# Altium PCB pcb-acopians-powerspy-monitoring-hw.PcbDoc (part 1 of 3)
Units mm, origin at the board's own origin, x right, y up, seen from the top; angles counter-clockwise.
Board outline 180 x 100 mm, 2 copper layers (Top Layer, Bottom Layer), stack 1.58 mm thick; 248 components, 138 nets, 1134 pads, 0 vias.
Unrouted connection lines stored in the file: 135.
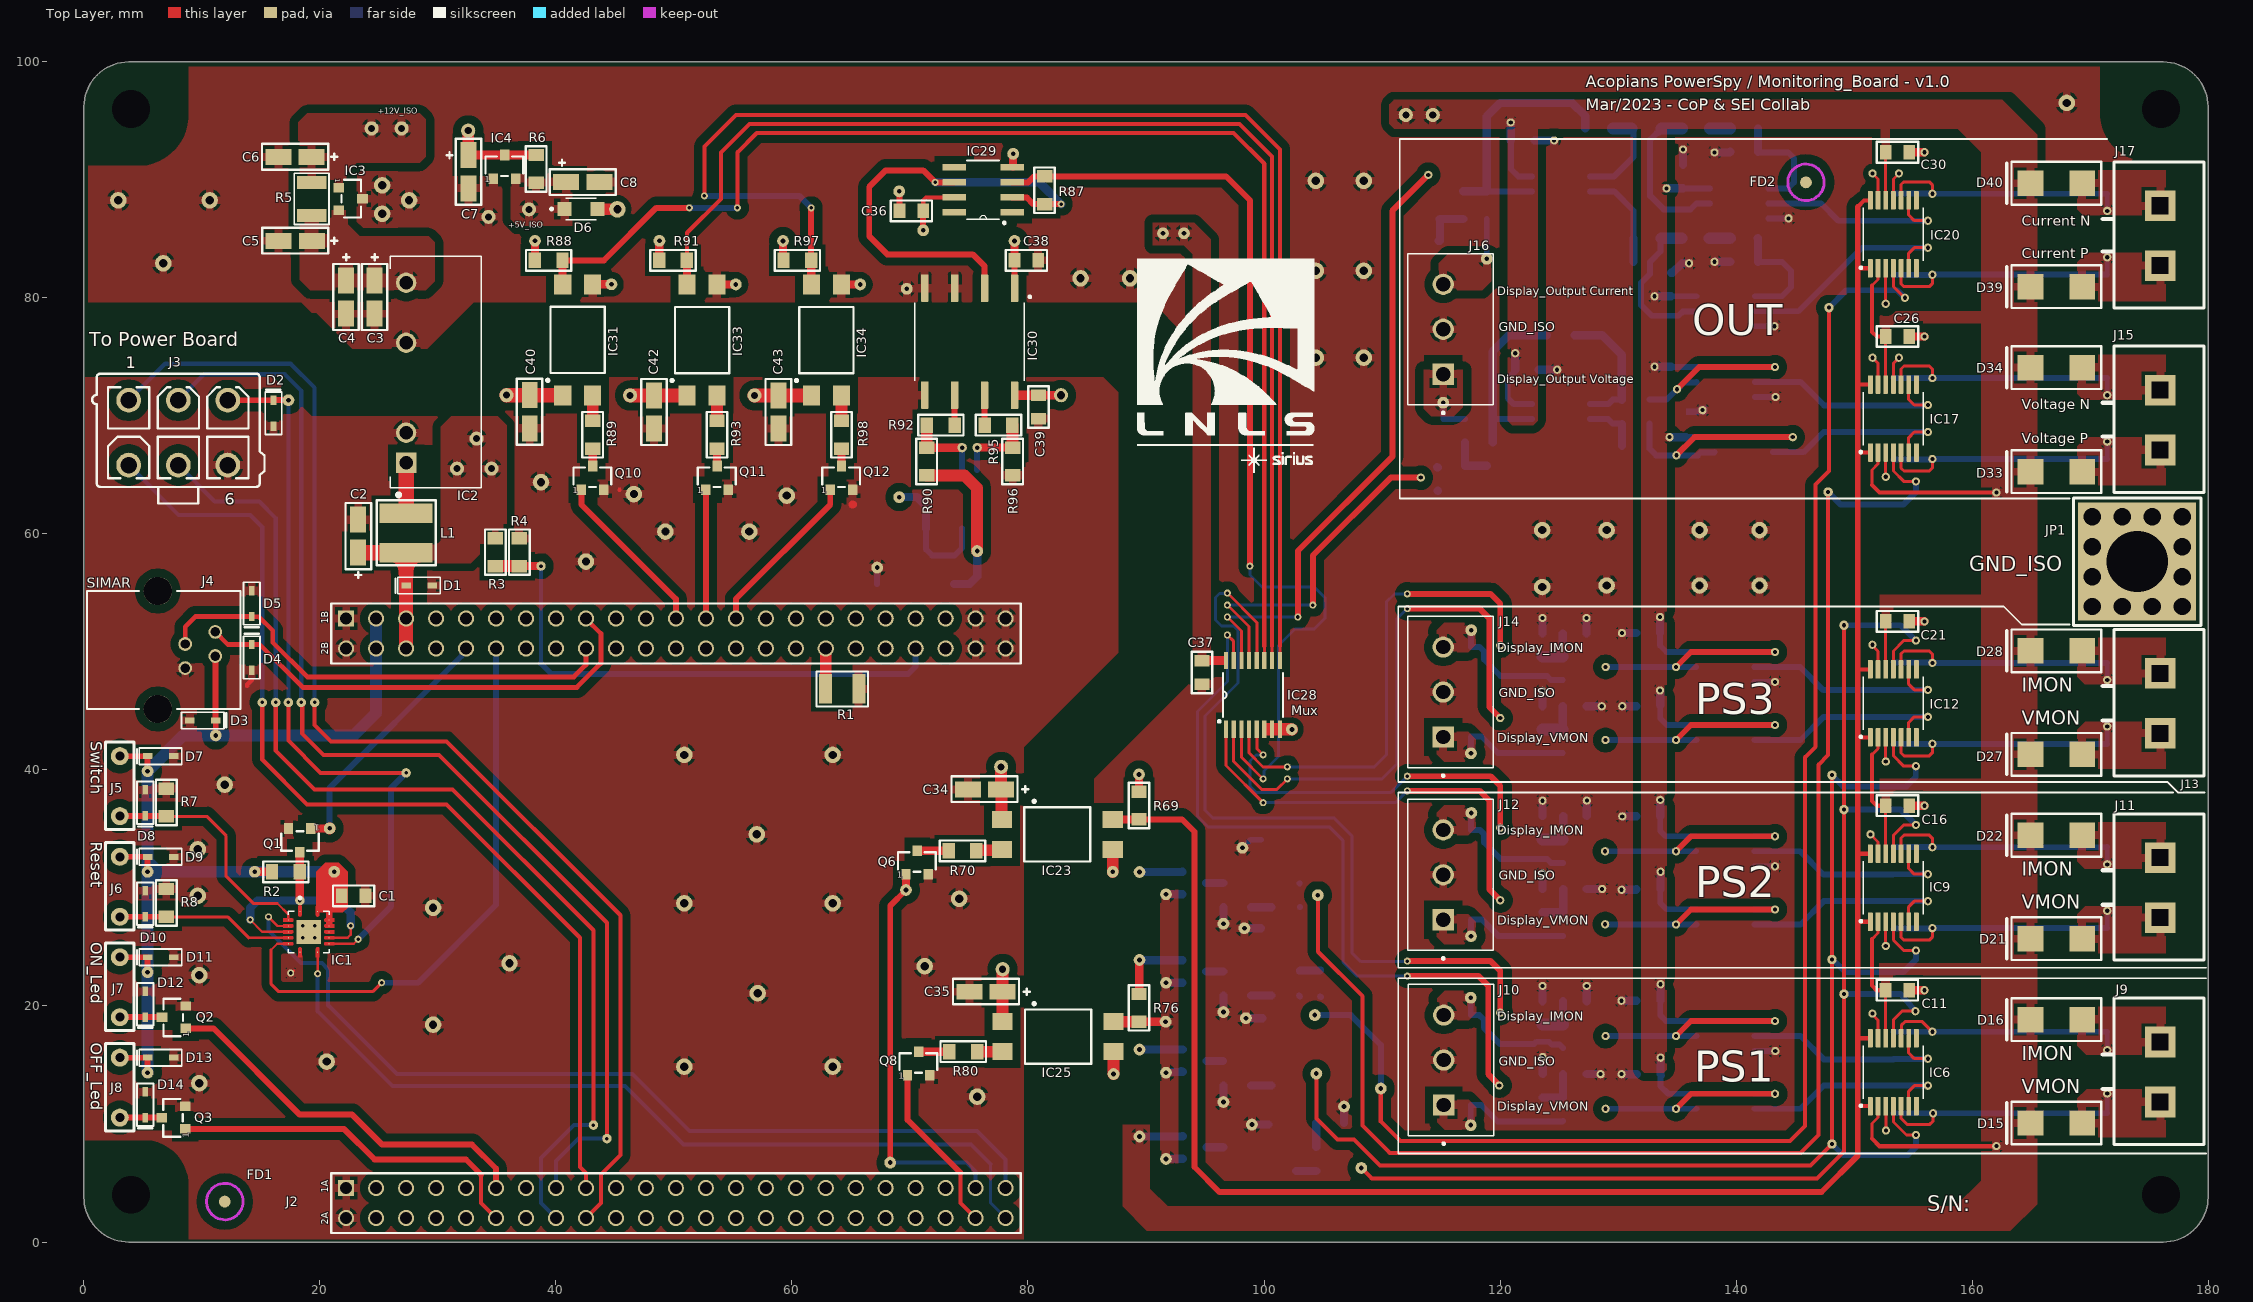
[diagram p0: Top Layer view]
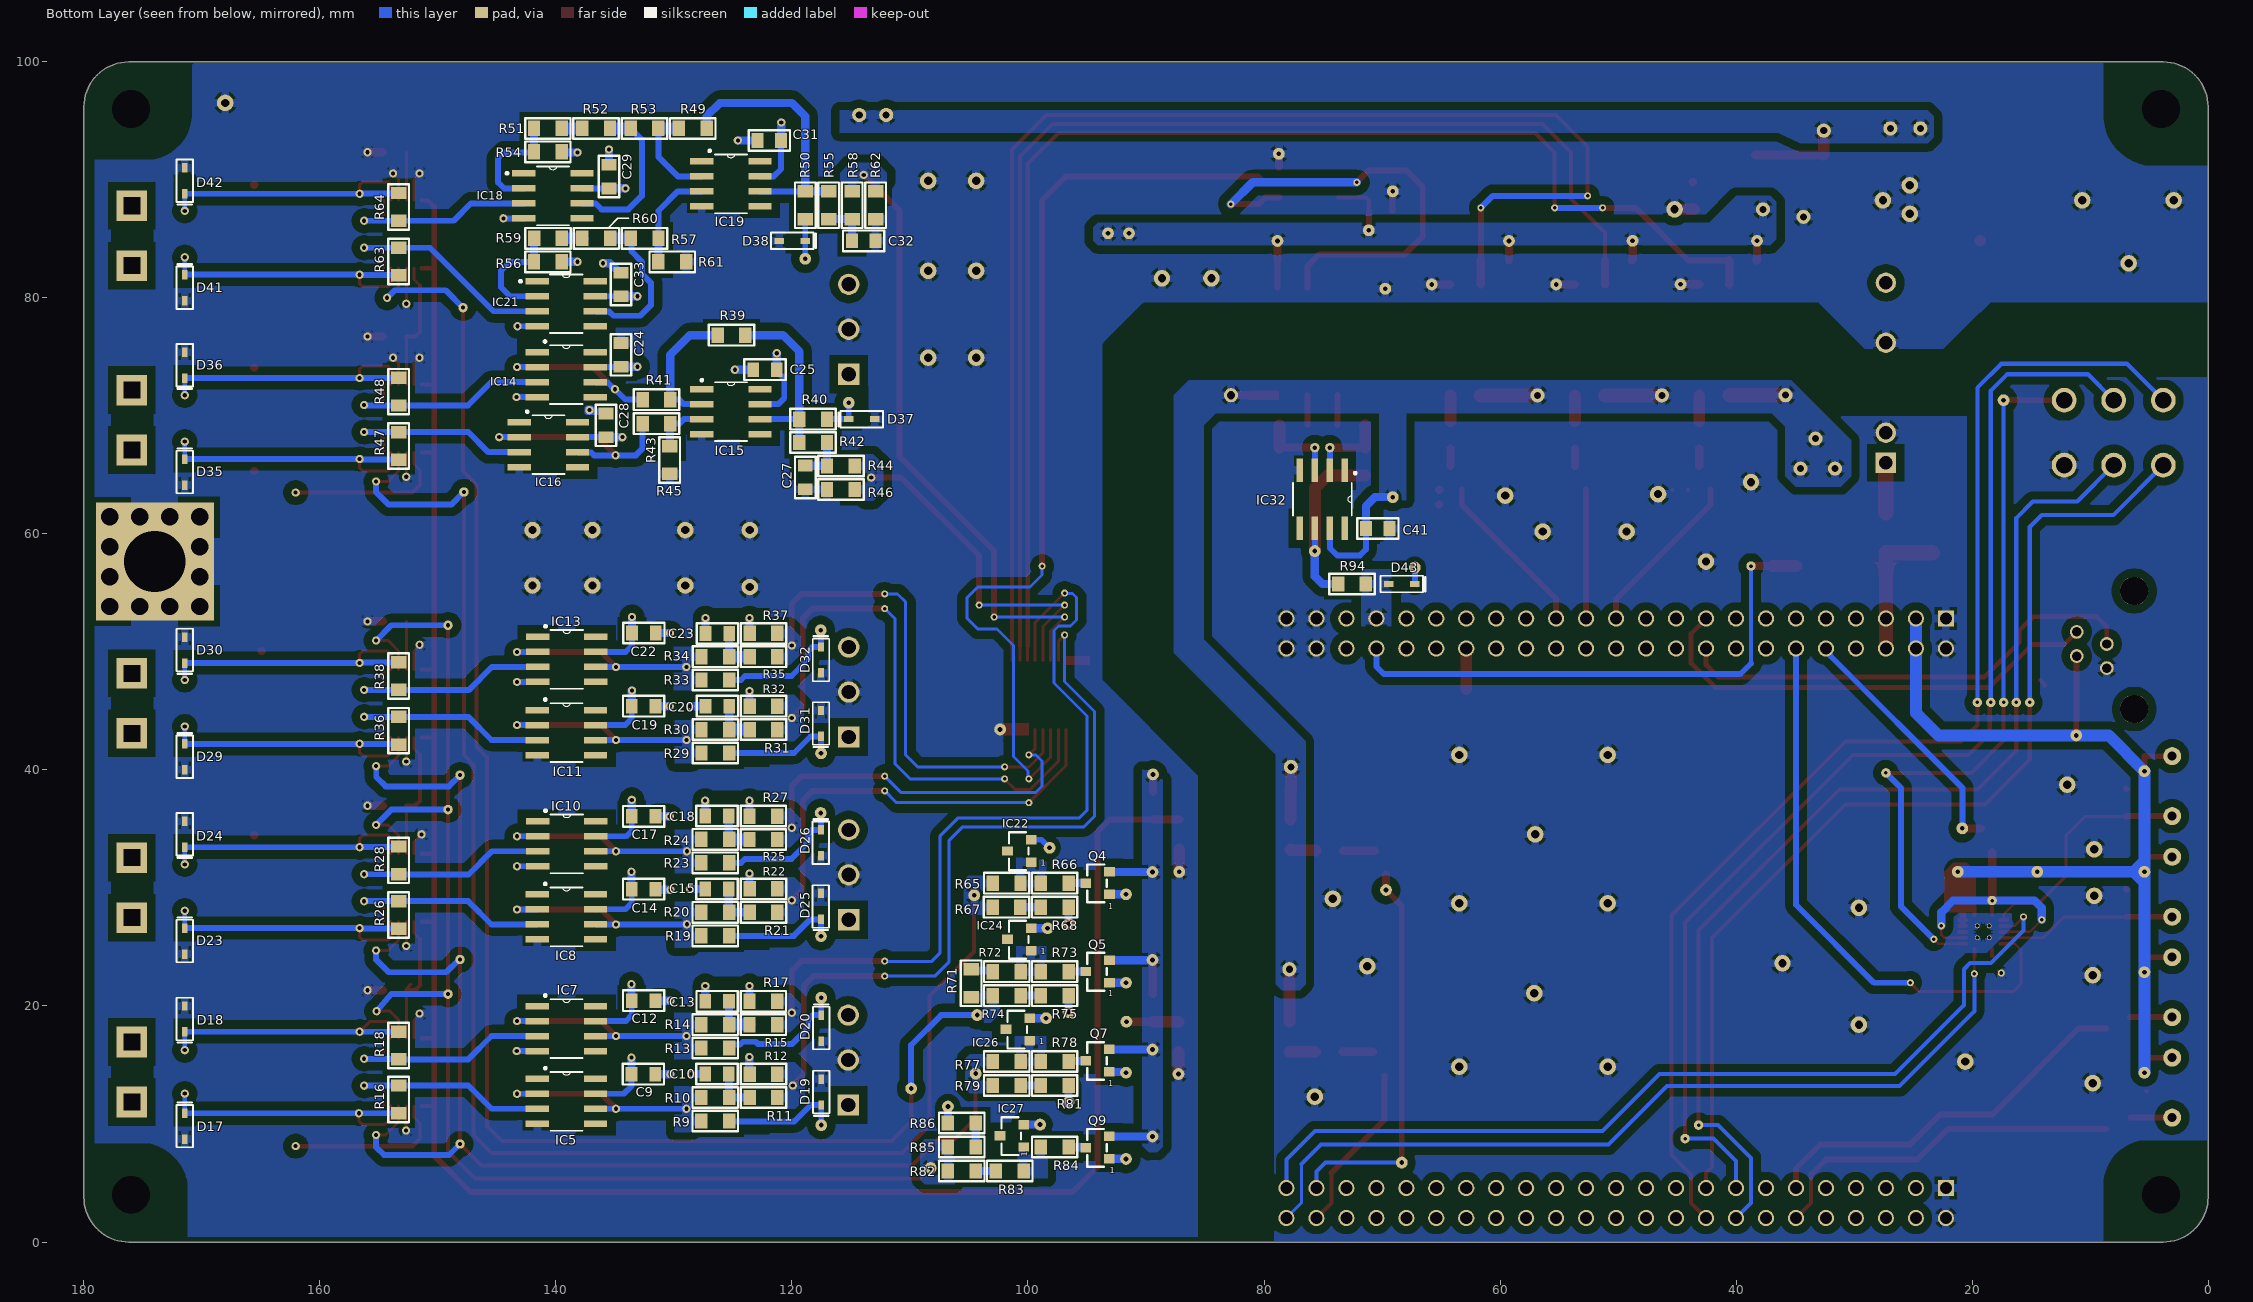
[diagram p1: Bottom Layer view, seen from below]

## Layer stack, top to bottom
Top Solder: solder mask 0.01, Solder Resist, Dk 3.5
Top Layer: signal copper 0.035
Dielectric 1: dielectric 1.51, FR-4, Dk 4.8
Bottom Layer: signal copper 0.035
Bottom Solder: solder mask 0.01, Solder Resist, Dk 3.5

## Board outline
0,3.81 0,96.19 cw(c3.81,96.19) 3.81,100 176.19,100 cw(c176.19,96.19) 180,96.19 180,3.81 cw(c176.19,3.81) 176.19,0 3.81,0 cw(c3.81,3.81)

## Design rules (kind name [scope] priority, off if disabled: settings)
Clearance Clearance_3 [InNet('GND_ISO')] p1: gap=0.5 ignorepadtopadclearanceinfootprint=FALSE except(0.7: Arc-Poly Track-Poly SMDPad-Poly THPad-Poly Via-Poly Fill-Poly Poly-Poly)
Clearance Clearance_2 [InNet('GND')] p2: gap=0.7 ignorepadtopadclearanceinfootprint=FALSE
Clearance Clearance_1 [InNet('+5V')] p3: gap=0.254 ignorepadtopadclearanceinfootprint=FALSE except(0: Arc-Via Arc-Poly Arc-Hole Track-Via Track-Poly Track-Hole SMDPad-Via SMDPad-Poly SMDPad-Hole THPad-Via THPad-Poly THPad-Hole Via-Via Via-Poly Via-Hole Fill-Poly Fill-Hole Poly-Poly Poly-Hole Region-Hole Text-Hole; 0.127: Arc-SMDPad Track-SMDPad SMDPad-SMDPad)
Clearance [All] p4: gap=0.254 ignorepadtopadclearanceinfootprint=FALSE except(0: Arc-Hole Track-Hole SMDPad-Hole THPad-Hole Via-Hole Fill-Hole Poly-Hole Region-Hole Text-Hole; 0.127: Arc-SMDPad Track-SMDPad SMDPad-SMDPad)
Height [All] p1: minheight=0 maxheight=35 prefheight=12.7
HoleSize [All] p1: absolutevalues=TRUE maxlimit=6 minlimit=0.025 maxpercent=80.000 minpercent=20.000
MinimumSolderMaskSliver [All] p1: minsoldermaskwidth=0.035
PlaneClearance [All] p1: clearance=0.5
PolygonConnect PolygonConnect_7 [InNet('GND_ISO') vs HasFootprint('ERNI 225688')] p1: thpad.connectstyle=Relief thpad.reliefconductorwidth=4 thpad.reliefentries=4 thpad.polygonreliefangle="90 Angle" thpad.airgapwidth=0.5 smdpad.connectstyle=Relief smdpad.reliefconductorwidth=1 smdpad.reliefentries=4 smdpad.polygonreliefangle="90 Angle" smdpad.airgapwidth=0.35 via.connectstyle=Relief via.reliefconductorwidth=0.254 via.reliefentries=4 via.polygonreliefangle="90 Angle" via.airgapwidth=0.254
PolygonConnect PolygonConnect_6 [InNet('GND_ISO') vs IsDesignator = 'IC3'] p2: thpad.connectstyle=Relief thpad.reliefconductorwidth=0.5 thpad.reliefentries=4 thpad.polygonreliefangle="90 Angle" thpad.airgapwidth=0.254 smdpad.connectstyle=Relief smdpad.reliefconductorwidth=0.5 smdpad.reliefentries=4 smdpad.polygonreliefangle="90 Angle" smdpad.airgapwidth=0.254 via.connectstyle=Relief via.reliefconductorwidth=0.254 via.reliefentries=4 via.polygonreliefangle="90 Angle" via.airgapwidth=0.254
PolygonConnect PolygonConnect_5 [InNet('+12V_ISO')] p3: thpad.connectstyle=Relief thpad.reliefconductorwidth=0.7 thpad.reliefentries=4 thpad.polygonreliefangle="90 Angle" thpad.airgapwidth=0.254 smdpad.connectstyle=Relief smdpad.reliefconductorwidth=0.7 smdpad.reliefentries=4 smdpad.polygonreliefangle="90 Angle" smdpad.airgapwidth=0.254 via.connectstyle=Relief via.reliefconductorwidth=0.254 via.reliefentries=4 via.polygonreliefangle="90 Angle" via.airgapwidth=0.254
PolygonConnect PolygonConnect_4 [InNet('+15V_ISO')] p4: thpad.connectstyle=Relief thpad.reliefconductorwidth=1.2 thpad.reliefentries=4 thpad.polygonreliefangle="90 Angle" thpad.airgapwidth=0.254 smdpad.connectstyle=Relief smdpad.reliefconductorwidth=1.2 smdpad.reliefentries=4 smdpad.polygonreliefangle="90 Angle" smdpad.airgapwidth=0.254 via.connectstyle=Relief via.reliefconductorwidth=0.254 via.reliefentries=4 via.polygonreliefangle="90 Angle" via.airgapwidth=0.254
PolygonConnect PolygonConnect_3 [InNet('NetD43_2') vs HasFootprint('BBB 2x23 Header')] p5: thpad.connectstyle=Relief thpad.reliefconductorwidth=1 thpad.reliefentries=4 thpad.polygonreliefangle="90 Angle" thpad.airgapwidth=0.35 smdpad.connectstyle=Relief smdpad.reliefconductorwidth=0.254 smdpad.reliefentries=4 smdpad.polygonreliefangle="90 Angle" smdpad.airgapwidth=0.254 via.connectstyle=Relief via.reliefconductorwidth=0.254 via.reliefentries=4 via.polygonreliefangle="90 Angle" via.airgapwidth=0.254
PolygonConnect PolygonConnect_2 [InNet('+5V') vs HasFootprint('Resistor 0805')] p6: thpad.connectstyle=Relief thpad.reliefconductorwidth=0.5 thpad.reliefentries=2 thpad.polygonreliefangle="90 Angle" thpad.airgapwidth=0.254 smdpad.connectstyle=Relief smdpad.reliefconductorwidth=0.5 smdpad.reliefentries=2 smdpad.polygonreliefangle="90 Angle" smdpad.airgapwidth=0.254 via.connectstyle=Relief via.reliefconductorwidth=0.254 via.reliefentries=4 via.polygonreliefangle="90 Angle" via.airgapwidth=0.254
PolygonConnect PolygonConnect_1 [InNet('+5V') vs HasFootprint('23100C')] p7: thpad.connectstyle=Relief thpad.reliefconductorwidth=1.3 thpad.reliefentries=4 thpad.polygonreliefangle="90 Angle" thpad.airgapwidth=0.254 smdpad.connectstyle=Relief smdpad.reliefconductorwidth=1.3 smdpad.reliefentries=4 smdpad.polygonreliefangle="90 Angle" smdpad.airgapwidth=0.254 via.connectstyle=Relief via.reliefconductorwidth=0.254 via.reliefentries=4 via.polygonreliefangle="90 Angle" via.airgapwidth=0.254
PolygonConnect [All] p8: connectstyle=Relief reliefconductorwidth=0.7 reliefentries=4 polygonreliefangle="90 Angle" airgapwidth=0.254
RoutingVias [All] p1: holewidth=0.711 width=1.27 viastyle="Through Hole" minholewidth=0.711 minwidth=1.27 maxholewidth=0.711 maxwidth=1.27
SilkToSilkClearance [All] p1: silktosilkclearance=0
SilkToSolderMaskClearance [IsPad] p1: minsilkscreentomaskgap=0 clearancetoexposedcopper=TRUE
SolderMaskExpansion [All] p1: expansion=0.102 istentingtop=FALSE
Width [All] p1: maxlimit=1.5 minlimit=0.2 preferedwidth=0.5
24 further rules are at their usual default settings.

## Classes and differential pairs
component class temp-sensor-interface-hw: D3 D4 D5 J4
component class power-supplies-hw: C2 C3 C4 C5 C6 C7 C8 D6 IC2 IC3 IC4 JP1 L1 R5 R6
component class measurement-ps3-hw: C19 C20 C21 C22 C23 D27 D28 D29 D30 D31 D32 IC11 IC12 IC13 J13 J14 R29 R30 R31 R32 R33 R34 R35 R36 R37 R38
component class measurement-ps2-hw: C14 C15 C16 C17 C18 D21 D22 D23 D24 D25 D26 IC8 IC9 IC10 J11 J12 R19 R20 R21 R22 R23 R24 R25 R26 R27 R28
component class measurement-ps1-hw: C9 C10 C11 C12 C13 D15 D16 D17 D18 D19 D20 IC5 IC6 IC7 J9 J10 R9 R10 R11 R12 R13 R14 R15 R16 R17 R18
component class measurement-output-hw: C24 C25 C26 C27 C28 C29 C30 C31 C32 C33 D33 D34 D35 D36 D37 D38 D39 D40 D41 D42 IC14 IC15 IC16 IC17 IC18 IC19 IC20 IC21 J15 J16 J17 R39 R40 R41 R42 R43 R44 R45 R46 R47 R48 R49 R50 R51 R52 R53 R54 R55 R56 R57 R58 R59 R60 R61 R62 R63 R64
component class isolated-analog-interface-hw: C36 C37 C38 C39 C40 C41 C42 C43 D43 IC28 IC29 IC30 IC31 IC32 IC33 IC34 Q10 Q11 Q12 R87 R88 R89 R90 R91 R92 R93 R94 R95 R96 R97 R98
component class frontpanel-hw: D7 D8 D9 D10 D11 D12 D13 D14 J5 J6 J7 J8 Q2 Q3 R7 R8
component class calibration-hw: C34 C35 IC22 IC23 IC24 IC25 IC26 IC27 Q4 Q5 Q6 Q7 Q8 Q9 R65 R66 R67 R68 R69 R70 R71 R72 R73 R74 R75 R76 R77 R78 R79 R80 R81 R82 R83 R84 R85 R86
component class beaglebone-interface-hw: C1 D1 D2 IC1 J1 J2 J3 Q1 R1 R2 R3 R4

## Components (designator, comment, footprint, x,y, rotation, side; value= is the part's Value field where it differs from the comment)
C1 "100nF" C0805 22.86,29.337 r180 top
C2 "2.2uF" C1206 23.241,59.817 r90 top
C3 "1uF" C1206 24.638,80.076 r270 top
C4 "10uF" C1206 22.225,80.076 r270 top
C5 "4.7uF" C1206 17.907,84.836 r180 top
C6 "4.7uF" C1206 17.894,91.948 r180 top
C7 "1uF" C1206 32.607,90.696 r270 top
C8 "1uF" C1206 42.272,89.82 r0 top
C9 "100nF" C0805 132.588,14.224 r0 bottom
C10 "68nF" C0805 126.35,14.23 r180 bottom
C11 "100nF" C0805 153.67,21.336 r0 top
C12 "100nF" C0805 132.572,20.447 r0 bottom
C13 "56nF" C0805 126.34,20.4 r180 bottom
C14 "100nF" C0805 132.572,29.9 r0 bottom
C15 "68nF" C0805 126.35,29.92 r180 bottom
C16 "100nF" C0805 153.68,36.969 r0 top
C17 "100nF" C0805 132.572,36.068 r0 bottom
C18 "56nF" C0805 126.349,36.1 r180 bottom
C19 "100nF" C0805 132.572,45.4 r0 bottom
C20 "68nF" C0805 126.32,45.4 r180 bottom
C21 "100nF" C0805 153.68,52.59 r0 top
C22 "100nF" C0805 132.546,51.598 r0 bottom
C23 "56nF" C0805 126.32,51.57 r180 bottom
C24 "100nF" C0805 134.493,75.168 r90 bottom
C25 "100nF" C0805 122.285,73.914 r0 bottom
C26 "100nF" C0805 153.68,76.72 r0 top
C27 "68nF" C0805 118.872,64.786 r90 bottom
C28 "100nF" C0805 135.763,69.199 r90 bottom
C29 "100nF" C0805 135.509,90.281 r90 bottom
C30 "100nF" C0805 153.68,92.341 r0 top
C31 "100nF" C0805 121.92,93.345 r0 bottom
C32 "56nF" C0805 113.92,84.836 r0 bottom
C33 "100nF" C0805 134.493,81.137 r90 bottom
C34 "1uF" C1206 76.314,38.354 r180 top
C35 "1uF" C1206 76.441,21.209 r180 top
C36 "100nF" C0805 70.12,87.376 r180 top
C37 "100nF" C0805 94.742,48.26 r270 top
C38 "100nF" C0805 79.867,83.185 r0 top
C39 "100nF" C0805 80.899,70.755 r270 top
C40 "1uF" C1206 37.78,70.342 r270 top
C41 "100nF" C0805 70.358,60.452 r0 bottom
C42 "1uF" C1206 48.321,70.329 r270 top
C43 "1uF" C1206 58.862,70.329 r270 top
D1 "SP4208-01FTG" SOD-323 28.405,55.626 r180 top
D2 "CDSOD323-T05L" SOD-323 16.064,70.231 r90 top
D3 "CDSOD323-T05L" SOD-323 10.076,44.196 r0 top
D4 "CDSOD323-T05L" SOD-323 14.224,49.53 r90 top
D5 "CDSOD323-T05L" SOD-323 14.224,54.102 r270 top
D6 "NZH5V1B,115" SOD-123F-2 42.132,87.534 r0 top
D7 "CDSOD323-T05L" SOD-323 6.5,41.17 r180 top
D8 "CDSOD323-T05L" SOD-323 5.2,37.211 r270 top
D9 "CDSOD323-T05L" SOD-323 6.5,32.639 r180 top
D10 "CDSOD323-T05L" SOD-323 5.2,28.659 r270 top
D11 "CDSOD323-T05L" SOD-323 6.5,24.13 r180 top
D12 "CDSOD323-T05L" SOD-323 5.2,20.15 r270 top
D13 "CDSOD323-T05L" SOD-323 6.5,15.621 r180 top
D14 "CDSOD323-T05L" SOD-323 5.2,11.641 r270 top
D15 "LSM115JE3/TR13" DO-214BA 167.132,10.084 r0 top
D16 "LSM115JE3/TR13" DO-214BA 167.132,18.847 r0 top
D17 "AQ4023-01FTG" SOD-323 171.45,9.822 r90 bottom
D18 "AQ4023-01FTG" SOD-323 171.45,18.9 r270 bottom
D19 "AQ4023-01FTG" SOD-323 117.516,12.708 r270 bottom
D20 "AQ4023-01FTG" SOD-323 117.516,18.128 r90 bottom
D21 "LSM115JE3/TR13" DO-214BA 167.132,25.705 r0 top
D22 "LSM115JE3/TR13" DO-214BA 167.132,34.468 r0 top
D23 "AQ4023-01FTG" SOD-323 171.45,25.5 r90 bottom
D24 "AQ4023-01FTG" SOD-323 171.45,34.56 r270 bottom
D25 "AQ4023-01FTG" SOD-323 117.555,28.437 r270 bottom
D26 "AQ4023-01FTG" SOD-323 117.555,33.825 r90 bottom
D27 "LSM115JE3/TR13" DO-214BA 167.132,41.326 r0 top
D28 "LSM115JE3/TR13" DO-214BA 167.132,50.089 r0 top
D29 "AQ4023-01FTG" SOD-323 171.45,41.12 r90 bottom
D30 "AQ4023-01FTG" SOD-323 171.45,50.16 r270 bottom
D31 "AQ4023-01FTG" SOD-323 117.546,43.939 r270 bottom
D32 "AQ4023-01FTG" SOD-323 117.546,49.319 r90 bottom
D33 "LSM115JE3/TR13" DO-214BA 167.132,65.278 r0 top
D34 "LSM115JE3/TR13" DO-214BA 167.132,74.092 r0 top
D35 "AQ4023-01FTG" SOD-323 171.45,65.24 r90 bottom
D36 "AQ4023-01FTG" SOD-323 171.45,74.3 r270 bottom
D37 "AQ4023-01FTG" SOD-323 114.089,69.723 r0 bottom
D38 "AQ4023-01FTG" SOD-323 119.972,84.836 r180 bottom
D39 "LSM115JE3/TR13" DO-214BA 167.132,80.95 r0 top
D40 "LSM115JE3/TR13" DO-214BA 167.132,89.713 r0 top
D41 "AQ4023-01FTG" SOD-323 171.45,80.86 r90 bottom
D42 "AQ4023-01FTG" SOD-323 171.45,89.915 r270 bottom
D43 "GDZ2V0B-G3-08" SOD-323 68.326,55.753 r180 bottom
IC1 "SN74LV125ARGYR" VQFN-14 19.058,26.281 r270 top
IC2 "NMK0515SAC" NMK0515SAC 29.975,73.91 r90 top
IC3 "TLV76012DBZT" SOT_23_3 22.606,88.392 r270 top
IC4 "MCP1799T-5002H_TT" SOT_23_3 35.654,91.106 r0 top
IC5 "AD8638ARZ" SOIC-8 139.106,11.925 r180 bottom
IC6 "DG636EEQ-T1-GE4" TSSOP-14 153.33,14.39 r90 top
IC7 "AD8638ARZ" SOIC-8 139.106,18.085 r180 bottom
IC8 "AD8638ARZ" SOIC-8 139.106,27.546 r180 bottom
IC9 "DG636EEQ-T1-GE4" TSSOP-14 153.33,30.023 r90 top
IC10 "AD8638ARZ" SOIC-8 139.08,33.744 r180 bottom
IC11 "AD8638ARZ" SOIC-8 139.106,43.167 r180 bottom
IC12 "DG636EEQ-T1-GE4" TSSOP-14 153.33,45.644 r90 top
IC13 "AD8638ARZ" SOIC-8 139.08,49.365 r180 bottom
IC14 "AD8638ARZ" SOIC-8 139.125,73.503 r180 bottom
IC15 "AD8638ARZ" SOIC-8 125.171,70.358 r180 bottom
IC16 "AD8638ARZ" SOIC-8 140.64,67.564 r180 bottom
IC17 "DG636EEQ-T1-GE4" TSSOP-14 153.33,69.774 r90 top
IC18 "AD8638ARZ" SOIC-8 140.259,88.646 r180 bottom
IC19 "AD8638ARZ" SOIC-8 125.171,89.662 r180 bottom
IC20 "DG636EEQ-T1-GE4" TSSOP-14 153.33,85.395 r90 top
IC21 "AD8638ARZ" SOIC-8 139.125,79.502 r180 bottom
IC22 "LM4050AEM3-10_NOPB" SOT_23_3 100.736,33.132 r90 bottom
IC23 "SFH6156-1T" SMD-4 82.484,34.528 r0 top
IC24 "LM4050AEM3-10_NOPB" SOT_23_3 100.736,25.639 r90 bottom
IC25 "SFH6156-1T" SMD-4 82.55,17.399 r0 top
IC26 "LM4050AEM3-10_NOPB" SOT_23_3 100.863,18.019 r90 bottom
IC27 "LM4050AEM3-10_NOPB" SOT_23_3 101.371,9.002 r90 bottom
IC28 "74HC4051PW,118" TSSOP-16 99.06,46.355 r90 top
IC29 "AD8638ARZ" SOIC-8 76.2,89.154 r180 top
IC30 "AMC1200SDUB" SOP-8 75.057,76.29 r270 top
IC31 "SFH6156-1T" SMD-4 41.844,76.438 r90 top
IC32 "AD8638ARZ" SOIC-8 75.057,62.941 r270 bottom
IC33 "SFH6156-1T" SMD-4 52.385,76.425 r90 top
IC34 "SFH6156-1T" SMD-4 62.926,76.425 r90 top
J2 "BBB 2x23 Header" "BBB 2x23 Header" 50.165,27.432 r90 top
J3 "Molex 39-28-1063" MOLEX_39-28-1063 8.001,68.58 r0 top
J4 "RJ11-4P4C" YH55-01 8.7,50.163 r0 top
J5 "+15VDC Connector" "+15VDC Connector" 3.048,41.169 r0 top
J6 "+15VDC Connector" "+15VDC Connector" 3.048,32.639 r0 top
J7 "+15VDC Connector" "+15VDC Connector" 3.048,24.13 r0 top
J8 "+15VDC Connector" "+15VDC Connector" 3.048,15.621 r0 top
J9 "1755736" "Conector 2 vias" 175.936,11.862 r90 top
J10 "1803439" "Conector Phoenix 3 vias" 115.23,15.418 r90 top
J11 "1755736" "Conector 2 vias" 175.936,27.483 r90 top
J12 "1803439" "Conector Phoenix 3 vias" 115.189,31.115 r90 top
J13 "1755736" "Conector 2 vias" 175.936,43.104 r90 top
J14 "1803439" "Conector Phoenix 3 vias" 115.189,46.6 r90 top
J15 "1755736" "Conector 2 vias" 175.936,67.107 r90 top
J16 "1803439" "Conector Phoenix 3 vias" 115.189,77.343 r90 top
J17 "1755736" "Conector 2 vias" 175.936,82.728 r90 top
JP1 "ERNI 225688" "ERNI 225688" 173.99,57.658 r0 top
L1 "23100C" 23100C 27.305,58.42 r90 top
Q1 "BSS138" SOT_23_3 18.288,34.036 r180 top
Q2 "BSS138" SOT_23_3 7.62,19.05 r90 top
Q3 "BSS138" SOT_23_3 7.604,10.541 r90 top
Q4 "BSS84" SOT_23_3 94.091,30.414 r90 bottom
Q5 "BSS84" SOT_23_3 94.091,22.921 r90 bottom
Q6 "BSS138" SOT_23_3 70.612,32.147 r0 top
Q7 "BSS84" SOT_23_3 94.107,15.367 r90 bottom
Q8 "BSS138" SOT_23_3 70.739,15.129 r0 top
Q9 "BSS84" SOT_23_3 94.107,8.001 r90 bottom
Q10 "BSS138" SOT_23_3 43.114,64.754 r0 top
Q11 "BSS138" SOT_23_3 53.655,64.754 r0 top
Q12 "BSS138" SOT_23_3 64.196,64.754 r0 top
R1 "0R" R1210 64.262,46.863 r0 top
R2 "4k7" "Resistor 0805" 18.288,31.369 r180 top
R3 "200k" "Resistor 0805" 34.862,57.277 r90 top
R4 "100k" "Resistor 0805" 36.894,59.627 r270 top
R5 "0R" R1210 19.304,88.392 r90 top
R6 "500R" "Resistor 0805" 38.322,92.106 r270 top
R7 "4k7" "Resistor 0805" 6.985,38.418 r270 top
R8 "4k7" "Resistor 0805" 6.985,29.909 r270 top
R9 "330R" "Resistor 0805" 127.676,10.25 r180 bottom
R10 "330R" "Resistor 0805" 127.676,12.243 r180 bottom
R11 "650R" "Resistor 0805" 123.59,12.243 r180 bottom
R12 "280R" "Resistor 0805" 123.59,14.23 r180 bottom
R13 "330R" "Resistor 0805" 127.676,16.434 r180 bottom
R14 "330R" "Resistor 0805" 127.676,18.42 r180 bottom
R15 "2k4" "Resistor 0805" 123.6,18.42 r180 bottom
R16 "0R" "Resistor 0805" 153.33,10.909 r90 bottom
R17 "280R" "Resistor 0805" 123.6,20.4 r180 bottom
R18 "0R" "Resistor 0805" 153.33,17.831 r270 bottom
R19 "330R" "Resistor 0805" 127.676,25.94 r180 bottom
R20 "330R" "Resistor 0805" 127.676,27.94 r180 bottom
R21 "650R" "Resistor 0805" 123.59,27.94 r180 bottom
R22 "280R" "Resistor 0805" 123.59,29.92 r180 bottom
R23 "330R" "Resistor 0805" 127.676,32.131 r180 bottom
R24 "330R" "Resistor 0805" 127.676,34.12 r180 bottom
R25 "2k4" "Resistor 0805" 123.6,34.11 r180 bottom
R26 "0R" "Resistor 0805" 153.33,26.53 r90 bottom
R27 "280R" "Resistor 0805" 123.6,36.09 r180 bottom
R28 "0R" "Resistor 0805" 153.33,33.516 r270 bottom
R29 "330R" "Resistor 0805" 127.667,41.442 r180 bottom
R30 "330R" "Resistor 0805" 127.667,43.42 r180 bottom
R31 "650R" "Resistor 0805" 123.59,43.42 r180 bottom
R32 "280R" "Resistor 0805" 123.59,45.4 r180 bottom
R33 "330R" "Resistor 0805" 127.667,47.625 r180 bottom
R34 "330R" "Resistor 0805" 127.667,49.6 r180 bottom
R35 "2k4" "Resistor 0805" 123.59,49.6 r180 bottom
R36 "0R" "Resistor 0805" 153.33,42.151 r90 bottom
R37 "280R" "Resistor 0805" 123.59,51.57 r180 bottom
R38 "0R" "Resistor 0805" 153.33,49.137 r270 bottom
R39 "10k" "Resistor 0805" 126.302,76.835 r180 bottom
R40 "330R" "Resistor 0805" 119.38,69.723 r180 bottom
R41 "100k" "Resistor 0805" 132.652,71.374 r180 bottom
R42 "330R" "Resistor 0805" 119.38,67.75 r180 bottom
R43 "100k" "Resistor 0805" 132.652,69.342 r180 bottom
R44 "650R" "Resistor 0805" 114.681,65.76 r0 bottom
R45 "10k" "Resistor 0805" 130.36,65.087 r90 bottom
R46 "280R" "Resistor 0805" 117.031,63.76 r180 bottom
R47 "0R" "Resistor 0805" 153.33,66.281 r90 bottom
R48 "0R" "Resistor 0805" 153.33,73.23 r270 bottom
R49 "10k" "Resistor 0805" 129.58,94.361 r180 bottom
R50 "330R" "Resistor 0805" 118.872,89.027 r270 bottom
R51 "7.32k" "Resistor 0805" 141.859,94.361 r180 bottom
R52 "316k" "Resistor 0805" 137.77,94.361 r180 bottom